# Altium PCB PCB11.PcbDoc
Units mil, origin at the board's own origin, x right, y up, seen from the top; angles counter-clockwise.
Board outline 6000 x 4000 mil, 2 copper layers (Top Layer, Bottom Layer); 50 components, 0 nets, 248 pads, 16 vias.
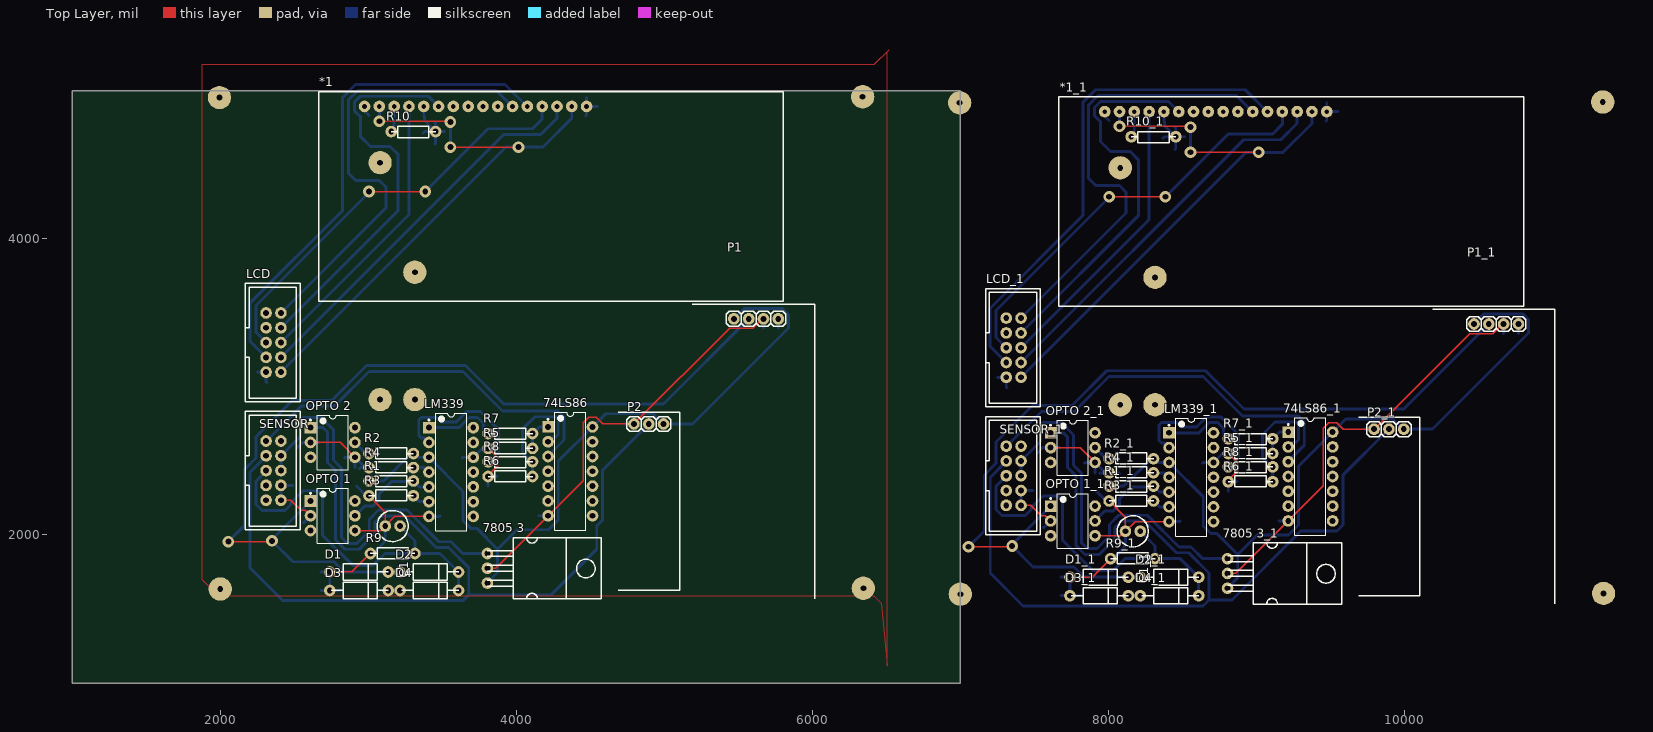
[diagram p0: Top Layer view]
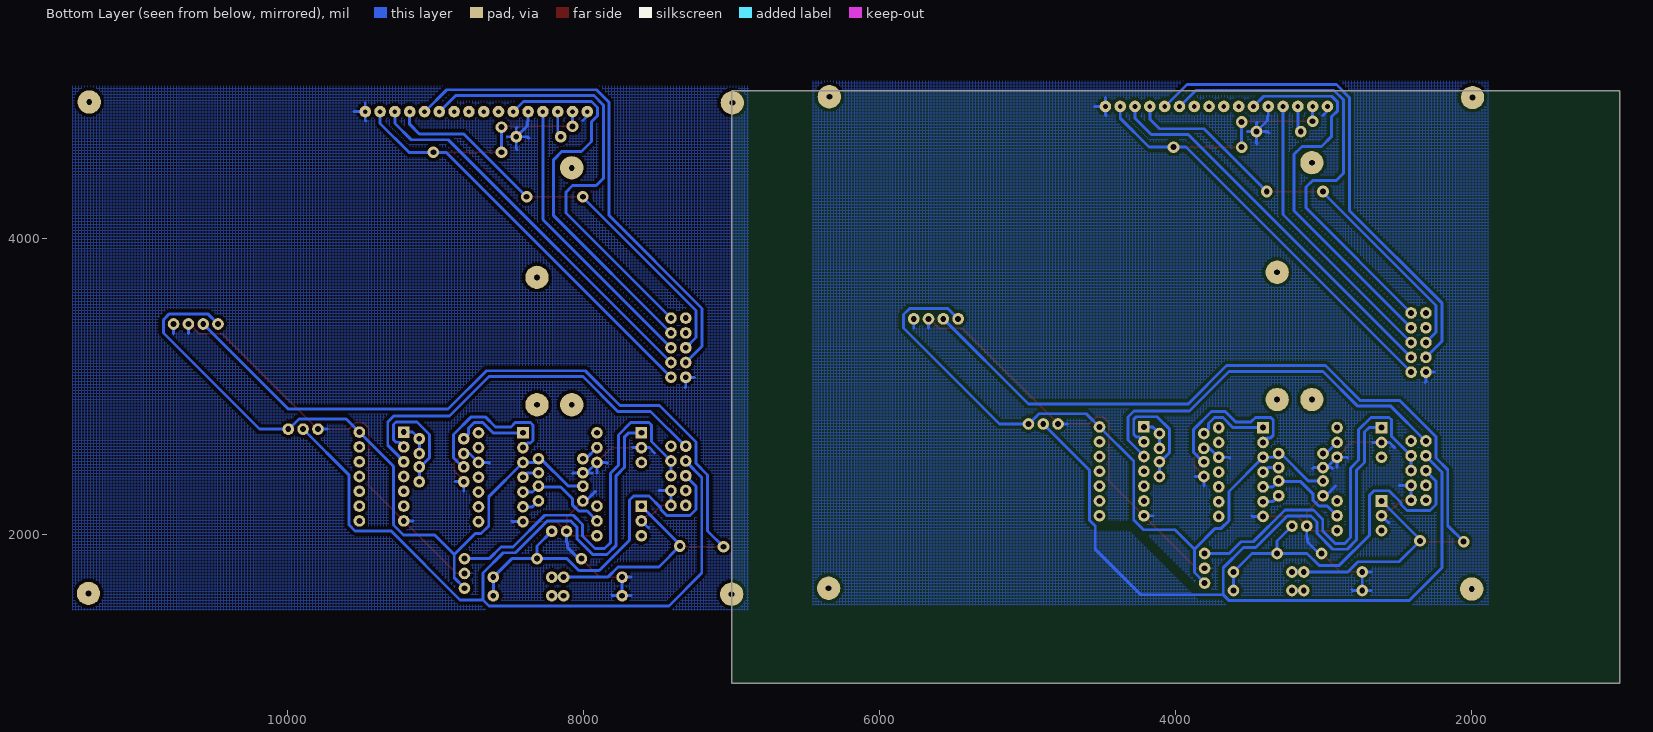
[diagram p1: Bottom Layer view, seen from below]

## Layer stack, top to bottom
Top Solder: solder mask 0.4, Solder Resist, Dk 3.5
Top Layer: signal copper 1.4
Dielectric 1: dielectric 12.6, FR-4, Dk 4.8
Bottom Layer: signal copper 1.4
Bottom Solder: solder mask 0.4, Solder Resist, Dk 3.5

## Board outline
1000,1000 7000,1000 7000,5000 1000,5000

## Design rules (kind name [scope] priority, off if disabled: settings)
Clearance [All] p1: gap=10
PolygonConnect [All] p1: connectstyle=Relief reliefconductorwidth=10 reliefentries=4 polygonreliefangle="90 Angle" airgapwidth=10
RoomDefinition CPM [InComponentClass('CPM')] p1: confinementstyle=ConfineIn formatcopy=TRUE lockcomponents=FALSE outline 1885,1525 6470,1525 6470,5095 1885,5095
RoutingVias [All] p1: holewidth=28 width=50 viastyle="Through Hole" minholewidth=28 minwidth=50 maxholewidth=28 maxwidth=50
SolderMaskExpansion [All] p1: expansion=4
Width [All] p1: maxlimit=10 minlimit=10 preferedwidth=10
29 further rules are at their usual default settings.

## Components (designator, comment, footprint, x,y, rotation, side; value= is the part's Value field where it differs from the comment)
74LS86 "SW DIP-7" DIP-14 4365,2430 r0 top
74LS86_1 "SW DIP-7" DIP-14 9365,2395 r0 top (schematic designator 74LS86)
"7805 3" "Header 3" 7805 3805,1875 r270 top
"7805 3_1" "Header 3" 7805 8805,1840 r270 top (schematic designator "7805 3")
*1 "LCD16X2" LCD16X2 3075,4995 r0 top
*1_1 "LCD16X2" LCD16X2 8075,4960 r0 top (schematic designator *1)
C1 "Cap" "cap 1000uf" 3215,2060 r90 top
C1_1 "Cap" "cap 1000uf" 8215,2025 r90 top (schematic designator C1)
D1 "Diode 1N4150" diode 2835,1750 r0 top
D1_1 "Diode 1N4150" diode 7835,1715 r0 top (schematic designator D1)
D2 "Diode 1N4150" diode 3310,1750 r0 top
D2_1 "Diode 1N4150" diode 8310,1715 r0 top (schematic designator D2)
D3 "Diode 1N4150" diode 2835,1625 r0 top
D3_1 "Diode 1N4150" diode 7835,1590 r0 top (schematic designator D3)
D4 "Diode 1N4150" diode 3310,1625 r0 top
D4_1 "Diode 1N4150" diode 8310,1590 r0 top (schematic designator D4)
LCD "Header 5X2" "socket dw" 2310,3500 r270 top
LCD_1 "Header 5X2" "socket dw" 7310,3465 r270 top (schematic designator LCD)
LM339 "SW DIP-7" DIP-14 3560,2425 r0 top
LM339_1 "SW DIP-7" DIP-14 8560,2390 r0 top (schematic designator LM339)
"OPTO 1" "SW DIP-3" DIP-6 2760,2130 r0 top
"OPTO 1_1" "SW DIP-3" DIP-6 7760,2095 r0 top (schematic designator "OPTO 1")
"OPTO 2" "SW DIP-3" DIP-6 2760,2625 r0 top
"OPTO 2_1" "SW DIP-3" DIP-6 7760,2590 r0 top (schematic designator "OPTO 2")
P1 "Header 4" "HEADER 1X4L" 5770,3460 r180 top
P1_1 "Header 4" "HEADER 1X4L" 10770,3425 r180 top (schematic designator P1)
P2 "Header 3" "header 3x1" 4995,2750 r0 top
P2_1 "Header 3" "header 3x1" 9995,2715 r0 top (schematic designator P2)
R1 "Res1" "RESISTOR - duplicate" 3305,2365 r180 top
R1_1 "Res1" "RESISTOR - duplicate" 8305,2330 r180 top (schematic designator R1)
R2 "Res1" "RESISTOR - duplicate" 3005,2550 r0 top
R2_1 "Res1" "RESISTOR - duplicate" 8005,2515 r0 top (schematic designator R2)
R3 "Res1" "RESISTOR - duplicate" 3005,2265 r0 top
R3_1 "Res1" "RESISTOR - duplicate" 8005,2230 r0 top (schematic designator R3)
R4 "Res1" "RESISTOR - duplicate" 3005,2455 r0 top
R4_1 "Res1" "RESISTOR - duplicate" 8005,2420 r0 top (schematic designator R4)
R5 "Res1" "RESISTOR - duplicate" 3810,2585 r0 top
R5_1 "Res1" "RESISTOR - duplicate" 8810,2550 r0 top (schematic designator R5)
R6 "Res1" "RESISTOR - duplicate" 3810,2395 r0 top
R6_1 "Res1" "RESISTOR - duplicate" 8810,2360 r0 top (schematic designator R6)
R7 "Res1" "RESISTOR - duplicate" 4110,2685 r180 top
R7_1 "Res1" "RESISTOR - duplicate" 9110,2650 r180 top (schematic designator R7)
R8 "Res1" "RESISTOR - duplicate" 4110,2495 r180 top
R8_1 "Res1" "RESISTOR - duplicate" 9110,2460 r180 top (schematic designator R8)
R9 "Res1" "RESISTOR - duplicate" 3015,1875 r0 top
R9_1 "Res1" "RESISTOR - duplicate" 8015,1840 r0 top (schematic designator R9)
R10 "Res1" "RESISTOR - duplicate" 3455,4725 r180 top
R10_1 "Res1" "RESISTOR - duplicate" 8455,4690 r180 top (schematic designator R10)
SENSOR "Header 5X2" "socket dw" 2310,2635 r270 top
SENSOR_1 "Header 5X2" "socket dw" 7310,2600 r270 top (schematic designator SENSOR)

## Footprints (in the part's own frame and the unit in brackets; to place one, negate y for a bottom-side part, rotate by r counter-clockwise, add the part's x,y. Pads: shape width x height; smd on the part's side, far side on the other; paste and mask are expansions set on the pad)
7805 [mm]
  round 2 hole 1: 1(0,0) 3(5.08,0)
  round 2 hole 1 mask+0.102: 2(2.54,0)
  silkscreen extent -2.71,0 7.79,19.56, body extent -2.51,-0.2 7.49,19.5, height 5
"cap 1000uf" [mm]
  round 2 hole 1: 1(0,2.54) 2(0,0)
  silkscreen extent -2.67,-1.4 2.67,3.93, body extent -2.54,-1.27 2.54,3.81, height 12.7
diode [mm]
  round 2 hole 1: 1(-2.413,0) 2(7.62,0)
  silkscreen extent -2.16,-1.4 7.62,1.4, body extent -2.89,-1.4 7.97,1.33, height 3.06
DIP-6 [mm] "DIP; 6 Leads; Row Spacing 7.62 mm; Pitch 2.54 mm"
  rect 2x2 hole 1: 1(-3.81,2.54)
  round 2 hole 1: 2(-3.81,0) 3(-3.81,-2.54) 4(3.81,-2.54) 5(3.81,0) 6(3.81,2.54)
  silkscreen extent -3.93,-4.7 2.65,4.7, body extent -3.55,-4.7 3.55,4.7, height 5.46
DIP-14 [mm] "DIP; 14 Leads; Row Spacing 7.62 mm; Pitch 2.54 mm"
  rect 2x2 hole 1: 1(-3.81,7.62)
  round 2 hole 1: 2(-3.81,5.08) 3(-3.81,2.54) 4(-3.81,0) 5(-3.81,-2.54) 6(-3.81,-5.08) 7(-3.81,-7.62) 8(3.81,-7.62) 9(3.81,-5.08) 10(3.81,-2.54) 11(3.81,0) 12(3.81,2.54) 13(3.81,5.08) 14(3.81,7.62)
  silkscreen extent -3.93,-10.1 2.65,10.1, body extent -3.6,-10.1 3.6,10.1, height 5.08
"HEADER 1X4L" [mm]
  round 2 hole 1: 1(0,0) 2(2.54,0) 3(5.08,0) 4(7.62,0)
  silkscreen extent -1.27,-1.27 8.89,1.27, body extent -1.17,-10.76 8.79,0.38, height 2.65
"header 3x1" [mm]
  round 2 hole 1: 1(0,0) 2(-2.54,0) 3(-5.08,0)
  silkscreen extent -6.35,-1.27 1.27,1.27, body extent -6.35,-1.27 1.27,1.23, height 8.2
LCD16X2 [mm]
  round 2 hole 0.8: 1(-2.54,-2.54) 2(0,-2.54) 3(2.54,-2.54) 4(5.08,-2.54) 5(7.62,-2.54) 6(10.16,-2.54) 7(12.7,-2.54) 8(15.24,-2.54) 9(17.78,-2.54) 10(20.32,-2.54) 11(22.86,-2.54) 12(25.4,-2.54) 13(27.94,-2.54) 14(30.48,-2.54) 15(33.02,-2.54) 16(35.56,-2.54)
  silkscreen extent -10.41,-35.94 69.34,0, body extent -10.54,-36 69.46,0, height 22.5
"RESISTOR - duplicate" [mm]
  round 2 hole 1: 1(0,0) 2(7.62,0)
  silkscreen extent 0,-0.89 7.62,1.02, body extent -0.25,-0.93 7.87,1.02, height 2.01
"socket dw" [mm]
  round 2 hole 1: 1(0,0) 2(2.54,0) 3(5.08,0) 4(7.62,0) 5(10.16,0) 6(10.16,2.54) 7(7.62,2.54) 8(5.08,2.54) 9(2.54,2.54) 10(0,2.54)
  silkscreen extent -5.08,-3.56 15.24,5.84, body extent -5.17,-3.3 15.33,6, height 9.1

## Part data
74LS86 74LS86_1 LM339 LM339_1: "DIP Switch, 7 Position, SPST"
"7805 3" "7805 3_1" P2 P2_1: "Header, 3-Pin"
C1 C1_1: "Capacitor"
D1 D1_1 D2 D2_1 D3 D3_1 D4 D4_1: "High Conductance Ultra Fast Diode"
LCD LCD_1 SENSOR SENSOR_1: library part "Header 5X2A", "Header, 5-Pin, Dual row"
"OPTO 1" "OPTO 1_1" "OPTO 2" "OPTO 2_1": "DIP Switch, 3 Position, SPST"
P1 P1_1: "Header, 4-Pin"
R1 R1_1 R2 R2_1 R3 R3_1 R4 R4_1 R5 R5_1 R6 R6_1 R7 R7_1 R8 R8_1 R9 R9_1 R10 R10_1: "Resistor"

## Free pads (board coordinates)
  round 157.48 hole 39.37: 0(1995,4955) 0(2000,1635) 0(3080,2915) 0(3080,4515) 0(3315,2915) 0(3315,3775) 0(6340,4960) 0(6345,1640) 0(6995,4920) 0(7000,1600) 0(8080,2880) 0(8080,4480) 0(8315,2880) 0(8315,3740) 0(11340,4925) 0(11345,1605)

## Via types
v1: diameter 78.74, hole 39.37, Top Layer to Bottom Layer, 16 vias

## Nets (pads, with @x,y where several pads share a name; then routed paths per layer and width w, separated by ;. In a path a pad name is that pad's centre, name@x,y a point inside that pad or via, vN(x,y) a via of type N, cw(c..) or ccw(c..) an arc to the next point about the centre after c; other vN are vias at no path point)
pads on no net: 74LS86.1 74LS86.2 74LS86.3 74LS86.4 74LS86.5 74LS86.6 74LS86.7 74LS86.8 74LS86.9 74LS86.10 74LS86.11 74LS86.12 74LS86.13 74LS86.14 74LS86_1.1 74LS86_1.2 74LS86_1.3 74LS86_1.4 74LS86_1.5 74LS86_1.6 74LS86_1.7 74LS86_1.8 74LS86_1.9 74LS86_1.10 74LS86_1.11 74LS86_1.12 74LS86_1.13 74LS86_1.14 "7805 3.1" "7805 3.2" "7805 3.3" "7805 3_1.1" "7805 3_1.2" "7805 3_1.3" "OPTO 1.1" "OPTO 1.2" "OPTO 1.3" "OPTO 1.4" "OPTO 1.5" "OPTO 1.6" "OPTO 1_1.1" "OPTO 1_1.2" "OPTO 1_1.3" "OPTO 1_1.4" "OPTO 1_1.5" "OPTO 1_1.6" "OPTO 2.1" "OPTO 2.2" "OPTO 2.3" "OPTO 2.4" "OPTO 2.5" "OPTO 2.6" "OPTO 2_1.1" "OPTO 2_1.2" "OPTO 2_1.3" "OPTO 2_1.4" "OPTO 2_1.5" "OPTO 2_1.6" *1.1 *1.2 *1.3 *1.4 *1.5 *1.6 *1.7 *1.8 *1.9 *1.10 *1.11 *1.12 *1.13 *1.14 *1.15 *1.16 *1_1.1 *1_1.2 *1_1.3 *1_1.4 *1_1.5 *1_1.6 *1_1.7 *1_1.8 *1_1.9 *1_1.10 *1_1.11 *1_1.12 *1_1.13 *1_1.14 *1_1.15 *1_1.16 C1.1 C1.2 C1_1.1 C1_1.2 D1.1 D1.2 D1_1.1 D1_1.2 D2.1 D2.2 D2_1.1 D2_1.2 D3.1 D3.2 D3_1.1 D3_1.2 D4.1 D4.2 D4_1.1 D4_1.2 LCD.1 LCD.2 LCD.3 LCD.4 LCD.5 LCD.6 LCD.7 LCD.8 LCD.9 LCD.10 LCD_1.1 LCD_1.2 LCD_1.3 LCD_1.4 LCD_1.5 LCD_1.6 LCD_1.7 LCD_1.8 LCD_1.9 LCD_1.10 LM339.1 LM339.2 LM339.3 LM339.4 LM339.5 LM339.6 LM339.7 LM339.8 LM339.9 LM339.10 LM339.11 LM339.12 LM339.13 LM339.14 LM339_1.1 LM339_1.2 LM339_1.3 LM339_1.4 LM339_1.5 LM339_1.6 LM339_1.7 LM339_1.8 LM339_1.9 LM339_1.10 LM339_1.11 LM339_1.12 LM339_1.13 LM339_1.14 P1.1 P1.2 P1.3 P1.4 P1_1.1 P1_1.2 P1_1.3 P1_1.4 P2.1 P2.2 P2.3 P2_1.1 P2_1.2 P2_1.3 R1.1 R1.2 R1_1.1 R1_1.2 R2.1 R2.2 R2_1.1 R2_1.2 R3.1 R3.2 R3_1.1 R3_1.2 R4.1 R4.2 R4_1.1 R4_1.2 R5.1 R5.2 R5_1.1 R5_1.2 R6.1 R6.2 R6_1.1 R6_1.2 R7.1 R7.2 R7_1.1 R7_1.2 R8.1 R8.2 R8_1.1 R8_1.2 R9.1 R9.2 R9_1.1 R9_1.2 R10.1 R10.2 R10_1.1 R10_1.2 SENSOR.1 SENSOR.2 SENSOR.3 SENSOR.4 SENSOR.5 SENSOR.6 SENSOR.7 SENSOR.8 SENSOR.9 SENSOR.10 SENSOR_1.1 SENSOR_1.2 SENSOR_1.3 SENSOR_1.4 SENSOR_1.5 SENSOR_1.6 SENSOR_1.7 SENSOR_1.8 SENSOR_1.9 SENSOR_1.10
copper on no net: | length 115823.8
  Top Layer w10: v1(2055,1955) 2345,1955 v1(2350,1960) ; 2410,2235 2476.89,2235 2545.94,2165.94 2574.06,2165.94 2610,2130 ; 2610,2625 2810,2625 2910,2525 ; 2740,1750 2890,1750 3015,1875 ; 2910,2030 3085,2030 3115,2060 ; 3005,2265 3115,2155 3115,2060 ; v1(3005,4320) v1(3385,4320) ; v1(3075,4795) 3550,4795 v1(3555,4790) ; 3410,2125 3180,2125 3115,2060 ; v1(3555,4620) v1(4015,4620) ; 3805,1775 3860,1775 4215,2130 4450.94,2365.94 4450.94,2756.53 4488.47,2794.06 4541.53,2794.06 4585.59,2750 4795,2750 5440.94,3395.94 5596.53,3395.94 5660.59,3460 5670,3460 ; 3810,2395 3810,2404.41 3874.06,2468.47 3874.06,2521.53 3810.59,2585 3810,2585 ; v1(7055,1920) 7345,1920 v1(7350,1925) ; 7410,2200 7476.89,2200 7545.94,2130.94 7574.06,2130.94 7610,2095 ; 7610,2590 7810,2590 7910,2490 ; 7740,1715 7890,1715 8015,1840 ; 7910,1995 8085,1995 8115,2025 ; 8005,2230 8115,2120 8115,2025 ; v1(8005,4285) v1(8385,4285) ; v1(8075,4760) 8550,4760 v1(8555,4755) ; 8410,2090 8180,2090 8115,2025 ; v1(8555,4585) v1(9015,4585) ; 8805,1740 8860,1740 9215,2095 9450.94,2330.94 9450.94,2721.53 9488.47,2759.06 9541.53,2759.06 9585.59,2715 9795,2715 10440.94,3360.94 10596.53,3360.94 10660.59,3425 10670,3425 ; 8810,2360 8810,2369.41 8874.06,2433.47 8874.06,2486.53 8810.59,2550 8810,2550
  Bottom Layer w19.68: v1(2055,1955) 2162.36,2062.36 2162.36,2440.48 2241.1,2519.22 2241.1,2663.54 2486.93,2909.37 2753.69,2909.37 2988.69,3144.37 3656.31,3144.37 3915.34,2885.34 4995.34,2885.34 5570,3460 ; 2250.94,3100 2310,3100 2310,3035 2315,3030 ; 2310,2435 2310,2432.44 2241.1,2363.54 2241.1,2206.46 2281.46,2166.1 2438.54,2166.1 2478.9,2206.46 2478.9,2219.4 2558.4,2298.9 2661.6,2298.9 2690,2270.5 2690,2000 2895,1795 3032.44,1795 3112.44,1875 3315,1875 ; 2310,2535 2310,2532.44 2201.73,2424.17 2201.73,1778.27 2423.9,1556.1 3638.54,1556.1 3678.9,1596.46 ; 2310,2635 2312.56,2635 2547.56,2870 2770,2870 3005,3105 3640,3105 3906.73,2838.27 4282.91,2838.27 4323.27,2797.91 4323.27,2640.83 4215,2532.56 4215,2530 ; 2310,3200 2200,3310 2200,3565 2827.36,4192.36 2827.36,4956.15 2913.85,5042.64 3924.8,5042.64 4072.44,4895 ; 2310,3300 2241.1,3368.9 2241.1,3550.42 3005,4314.32 v1(3005,4320) ; 2410,2235 2410,2335 2490,2335 ; 2410,2435 2410,2535 2541.1,2666.1 2541.1,2776.6 2558.4,2793.9 2681.78,2793.9 2764.37,2711.31 2764.37,2506.31 2819.37,2451.31 2819.37,1981.98 2858.27,1943.09 2922.41,1943.09 3006.73,2027.41 3006.73,2104.85 3070.15,2168.27 3262.41,2168.27 3476.31,1954.37 3558.74,1954.37 3638.11,1875 3805,1875 ; 2410,3100 3930,4620 v1(4015,4620) 4180,4620 4375,4815 4375,4895 ; 2410,3200 3915,4705 4165,4705 4275,4815 4275,4895 ; 2410,3300 3275,4165 3275,4895 ; 2410,3400 3202.09,4192.09 3202.09,4570.48 3147.56,4625 3015,4625 2946.46,4693.54 2946.46,4826.1 2906.1,4866.46 2906.1,4923.54 2946.46,4963.9 3406.1,4963.9 3475,4895 ; 2410,3500 3120,4210 3120,4350 3075,4395 2915,4395 2866.73,4443.27 2866.73,4939.85 2930.15,5003.27 3864.17,5003.27 3972.44,4895 3975,4895 ; 2520.34,2589.66 2555.68,2625 2610,2625 2669.06,2625 ; 2560,2085 2565,2085 2610,2130 ; 2610,2230 2350,1970 v1(2350,1960) 2491.1,1818.9 2768.54,1818.9 2837.44,1750 3135,1750 3215,1750 ; 2610,2725 2695,2725 2725,2695 2725,2490 2780,2435 2780,1965.68 2841.96,1903.72 2938.72,1903.72 3046.1,2011.1 3046.1,2088.54 3086.46,2128.9 3246.1,2128.9 3460,1915 3542.44,1915 3678.9,1778.54 3678.9,1596.46 ; 2680.94,1625 2740,1625 ; 2680.94,1750 2740,1750 2740,1625 ; 2810,1630 2805,1625 2740,1625 ; 2840,2520 2845,2525 2910,2525 ; 2910,2130 2976.1,2196.1 3033.54,2196.1 3073.9,2236.46 3073.9,2278.9 3155,2360 3300,2360 3305,2365 3345,2325 3410,2325 ; 2910,2455 2910,2525 ; 2910,2625 2985,2550 3005,2550 ; 2920,2330 2985,2265 3005,2265 ; 2942.14,2450 2947.14,2455 2980,2455 ; 2975,4895 2975,4865 3005,4835 ; 3005,2365 3104.32,2365 3289.32,2550 3305,2550 3330,2525 3410,2525 3641.1,2293.9 3641.1,2096.46 3692.56,2045 3732.44,2045 3873.9,1903.54 ; 3015,1875 3032.45,1875 3110,1952.55 3110,1980 3115,1985 3115,2060 ; 3075,2450 3070,2455 3005,2455 2980,2455 ; v1(3075,4795) 3075,4895 ; 3135,1625 3215,1625 ; 3145,4710 3175,4740 3175,4895 ; 3215,2060 3315,1960 3315,1875 ; 3305,2265 3345,2225 3410,2225 ; 3305,2455 3380,2455 3410,2425 ; 3370,4715 3380,4725 3455,4725 ; 3375,4895 3375,4830 3380,4825 3380,4800 3455,4725 ; v1(3385,4320) 3809.37,4744.37 4110,4744.37 4175,4809.37 4175,4895 ; 3410,2125 3480,2125 3485,2130 ; 3410,2625 3378.9,2656.1 3358.4,2656.1 3341.1,2673.4 3341.1,2776.6 3358.4,2793.9 3461.6,2793.9 3491.13,2764.37 3596.26,2764.37 3665.15,2833.27 3759.17,2833.27 3878.9,2713.54 3878.9,2556.46 3817.44,2495 3810,2495 ; 3410,2725 3612.56,2725 3681.46,2793.9 3738.54,2793.9 3778.9,2753.54 3778.9,2716.1 3810,2685 ; 3450,4640 3455,4645 3455,4725 ; 3450,4787.86 3455,4782.86 3455,4725 ; 3515.63,4725 3455,4725 ; v1(3555,4620) v1(3555,4790) ; 3610,1625 3610,1750 3485,1875 3315,1875 ; 3635,2520 3640,2525 3710,2525 3770,2585 3810,2585 ; 3805,1675 3805,1677.56 3873.9,1746.46 3873.9,1903.54 ; 3810,2331.94 3810,2395 3869.06,2395 ; 4110,2395 4110,2495 4102.56,2495 4041.1,2556.46 4041.1,2713.54 4126.46,2798.9 4266.6,2798.9 4283.9,2781.6 4283.9,2678.4 4266.6,2661.1 4246.1,2661.1 4215,2630 ; 4110,2585 4110,2685 4155,2730 4215,2730 ; 4151.94,2130 4215,2130 ; 4470,4832.14 4475,4837.14 4475,4895 ; 4475,4954.06 4475,4895 ; 4550,4895 4475,4895 ; 4731.94,2750 4795,2750 ; 4895,2750 4583.9,2438.9 4583.9,2101.46 4543.54,2061.1 4543.54,1903.54 4236.46,1596.46 3678.9,1596.46 ; 5470,3460 5538.9,3528.9 5798.54,3528.9 5838.9,3488.54 5838.9,3398.9 5190,2750 4995,2750 4992.44,2750 4923.54,2818.9 4603.9,2818.9 4515,2730 4283.9,2498.9 4283.9,2101.46 4217.44,2035 4005.36,2035 3873.9,1903.54 ; 5670,3396.94 5670,3460 ; 5770,3396.94 5770,3460 ; v1(7055,1920) 7162.36,2027.36 7162.36,2405.48 7241.1,2484.22 7241.1,2628.54 7486.93,2874.37 7753.69,2874.37 7988.69,3109.37 8656.31,3109.37 8915.34,2850.34 9995.34,2850.34 10570,3425 ; 7250.94,3065 7310,3065 7310,3000 7315,2995 ; 7310,2400 7310,2397.44 7241.1,2328.54 7241.1,2171.46 7281.46,2131.1 7438.54,2131.1 7478.9,2171.46 7478.9,2184.4 7558.4,2263.9 7661.6,2263.9 7690,2235.5 7690,1965 7895,1760 8032.44,1760 8112.44,1840 8315,1840 ; 7310,2500 7310,2497.44 7201.73,2389.17 7201.73,1743.27 7423.9,1521.1 8638.54,1521.1 8678.9,1561.46 ; 7310,2600 7312.56,2600 7547.56,2835 7770,2835 8005,3070 8640,3070 8906.73,2803.27 9282.91,2803.27 9323.27,2762.91 9323.27,2605.83 9215,2497.56 9215,2495 ; 7310,3165 7200,3275 7200,3530 7827.36,4157.36 7827.36,4921.15 7913.85,5007.64 8924.8,5007.64 9072.44,4860 ; 7310,3265 7241.1,3333.9 7241.1,3515.42 8005,4279.32 v1(8005,4285) ; 7410,2200 7410,2300 7490,2300 ; 7410,2400 7410,2500 7541.1,2631.1 7541.1,2741.6 7558.4,2758.9 7681.78,2758.9 7764.37,2676.31 7764.37,2471.31 7819.37,2416.31 7819.37,1946.98 7858.27,1908.09 7922.41,1908.09 8006.73,1992.41 8006.73,2069.85 8070.15,2133.27 8262.41,2133.27 8476.31,1919.37 8558.74,1919.37 8638.11,1840 8805,1840 ; 7410,3065 8930,4585 v1(9015,4585) 9180,4585 9375,4780 9375,4860 ; 7410,3165 8915,4670 9165,4670 9275,4780 9275,4860 ; 7410,3265 8275,4130 8275,4860 ; 7410,3365 8202.09,4157.09 8202.09,4535.48 8147.56,4590 8015,4590 7946.46,4658.54 7946.46,4791.1 7906.1,4831.46 7906.1,4888.54 7946.46,4928.9 8406.1,4928.9 8475,4860 ; 7410,3465 8120,4175 8120,4315 8075,4360 7915,4360 7866.73,4408.27 7866.73,4904.85 7930.15,4968.27 8864.17,4968.27 8972.44,4860 8975,4860 ; 7520.34,2554.66 7555.68,2590 7610,2590 7669.06,2590 ; 7560,2050 7565,2050 7610,2095 ; 7610,2195 7350,1935 v1(7350,1925) 7491.1,1783.9 7768.54,1783.9 7837.44,1715 8135,1715 8215,1715 ; 7610,2690 7695,2690 7725,2660 7725,2455 7780,2400 7780,1930.68 7841.96,1868.72 7938.72,1868.72 8046.1,1976.1 8046.1,2053.54 8086.46,2093.9 8246.1,2093.9 8460,1880 8542.44,1880 8678.9,1743.54 8678.9,1561.46 ; 7680.94,1590 7740,1590 ; 7680.94,1715 7740,1715 7740,1590 ; 7810,1595 7805,1590 7740,1590 ; 7840,2485 7845,2490 7910,2490 ; 7910,2095 7976.1,2161.1 8033.54,2161.1 8073.9,2201.46 8073.9,2243.9 8155,2325 8300,2325 8305,2330 8345,2290 8410,2290 ; 7910,2420 7910,2490 ; 7910,2590 7985,2515 8005,2515 ; 7920,2295 7985,2230 8005,2230 ; 7942.14,2415 7947.14,2420 7980,2420 ; 7975,4860 7975,4830 8005,4800 ; 8005,2330 8104.32,2330 8289.32,2515 8305,2515 8330,2490 8410,2490 8641.1,2258.9 8641.1,2061.46 8692.56,2010 8732.44,2010 8873.9,1868.54 ; 8015,1840 8032.45,1840 8110,1917.55 8110,1945 8115,1950 8115,2025 ; 8075,2415 8070,2420 8005,2420 7980,2420 ; v1(8075,4760) 8075,4860 ; 8135,1590 8215,1590 ; 8145,4675 8175,4705 8175,4860 ; 8215,2025 8315,1925 8315,1840 ; 8305,2230 8345,2190 8410,2190 ; 8305,2420 8380,2420 8410,2390 ; 8370,4680 8380,4690 8455,4690 ; 8375,4860 8375,4795 8380,4790 8380,4765 8455,4690 ; v1(8385,4285) 8809.37,4709.37 9110,4709.37 9175,4774.37 9175,4860 ; 8410,2090 8480,2090 8485,2095 ; 8410,2590 8378.9,2621.1 8358.4,2621.1 8341.1,2638.4 8341.1,2741.6 8358.4,2758.9 8461.6,2758.9 8491.13,2729.37 8596.26,2729.37 8665.15,2798.27 8759.17,2798.27 8878.9,2678.54 8878.9,2521.46 8817.44,2460 8810,2460 ; 8410,2690 8612.56,2690 8681.46,2758.9 8738.54,2758.9 8778.9,2718.54 8778.9,2681.1 8810,2650 ; 8450,4605 8455,4610 8455,4690 ; 8450,4752.86 8455,4747.86 8455,4690 ; 8515.63,4690 8455,4690 ; v1(8555,4585) v1(8555,4755) ; 8610,1590 8610,1715 8485,1840 8315,1840 ; 8635,2485 8640,2490 8710,2490 8770,2550 8810,2550 ; 8805,1640 8805,1642.56 8873.9,1711.46 8873.9,1868.54 ; 8810,2296.94 8810,2360 8869.06,2360 ; 9110,2360 9110,2460 9102.56,2460 9041.1,2521.46 9041.1,2678.54 9126.46,2763.9 9266.6,2763.9 9283.9,2746.6 9283.9,2643.4 9266.6,2626.1 9246.1,2626.1 9215,2595 ; 9110,2550 9110,2650 9155,2695 9215,2695 ; 9151.94,2095 9215,2095 ; 9470,4797.14 9475,4802.14 9475,4860 ; 9475,4919.06 9475,4860 ; 9550,4860 9475,4860 ; 9731.94,2715 9795,2715 ; 9895,2715 9583.9,2403.9 9583.9,2066.46 9543.54,2026.1 9299.22,2026.1 8834.58,1561.46 8678.9,1561.46 ; 10470,3425 10538.9,3493.9 10798.54,3493.9 10838.9,3453.54 10838.9,3363.9 10190,2715 9995,2715 9992.44,2715 9923.54,2783.9 9603.9,2783.9 9515,2695 9283.9,2463.9 9283.9,2066.46 9217.44,2000 9005.36,2000 8873.9,1868.54 ; 10670,3361.94 10670,3425 ; 10770,3361.94 10770,3425 ; 2910,2525 2980,2455 ; 7910,2490 7980,2420

## Polygon pours and split planes (outlines as drawn)
no net on Bottom Layer "Bottom Layer-No Net" (hatched 90Degree grid 20 track 8, pour order 3): 6885,5035 11455,5035 11455,1490 6885,1490
no net on Bottom Layer "Bottom Layer-No Net" (hatched 90Degree grid 20 track 8, pour order 4): 1885,5070 6455,5070 6455,1525 1885,1525
no net on Top Layer "Bottom Layer-No Net" (none, pour order 7): 6505,1115 6505,5265 6515,5275 6415,5175 1875,5175 1875,1700 1985,1590 6415,1590 6465,1540

## Silkscreen, mask and mechanical layers (free items; w line width, h text height)
Top Overlay:
  lines w10: 4690,1625 5105,1625 5105,2830 4690,2830 ; 5190,3560 6015,3560 6015,1570 ; 9690,1590 10105,1590 10105,2795 9690,2795 ; 10190,3525 11015,3525 11015,1535